# Altium PCB PCB5.PcbDoc (part 1 of 16)
Units mil, origin at the board's own origin, x right, y up, seen from the top; angles counter-clockwise.
Board outline 9210.27 x 4350.4 mil, 4 copper layers (Top Layer, Layer 1, Layer 2, Bottom Layer), stack 23.756 mil thick; 1550 components, 1731 nets, 5196 pads, 1890 vias.
Unrouted connection lines stored in the file: 2462.
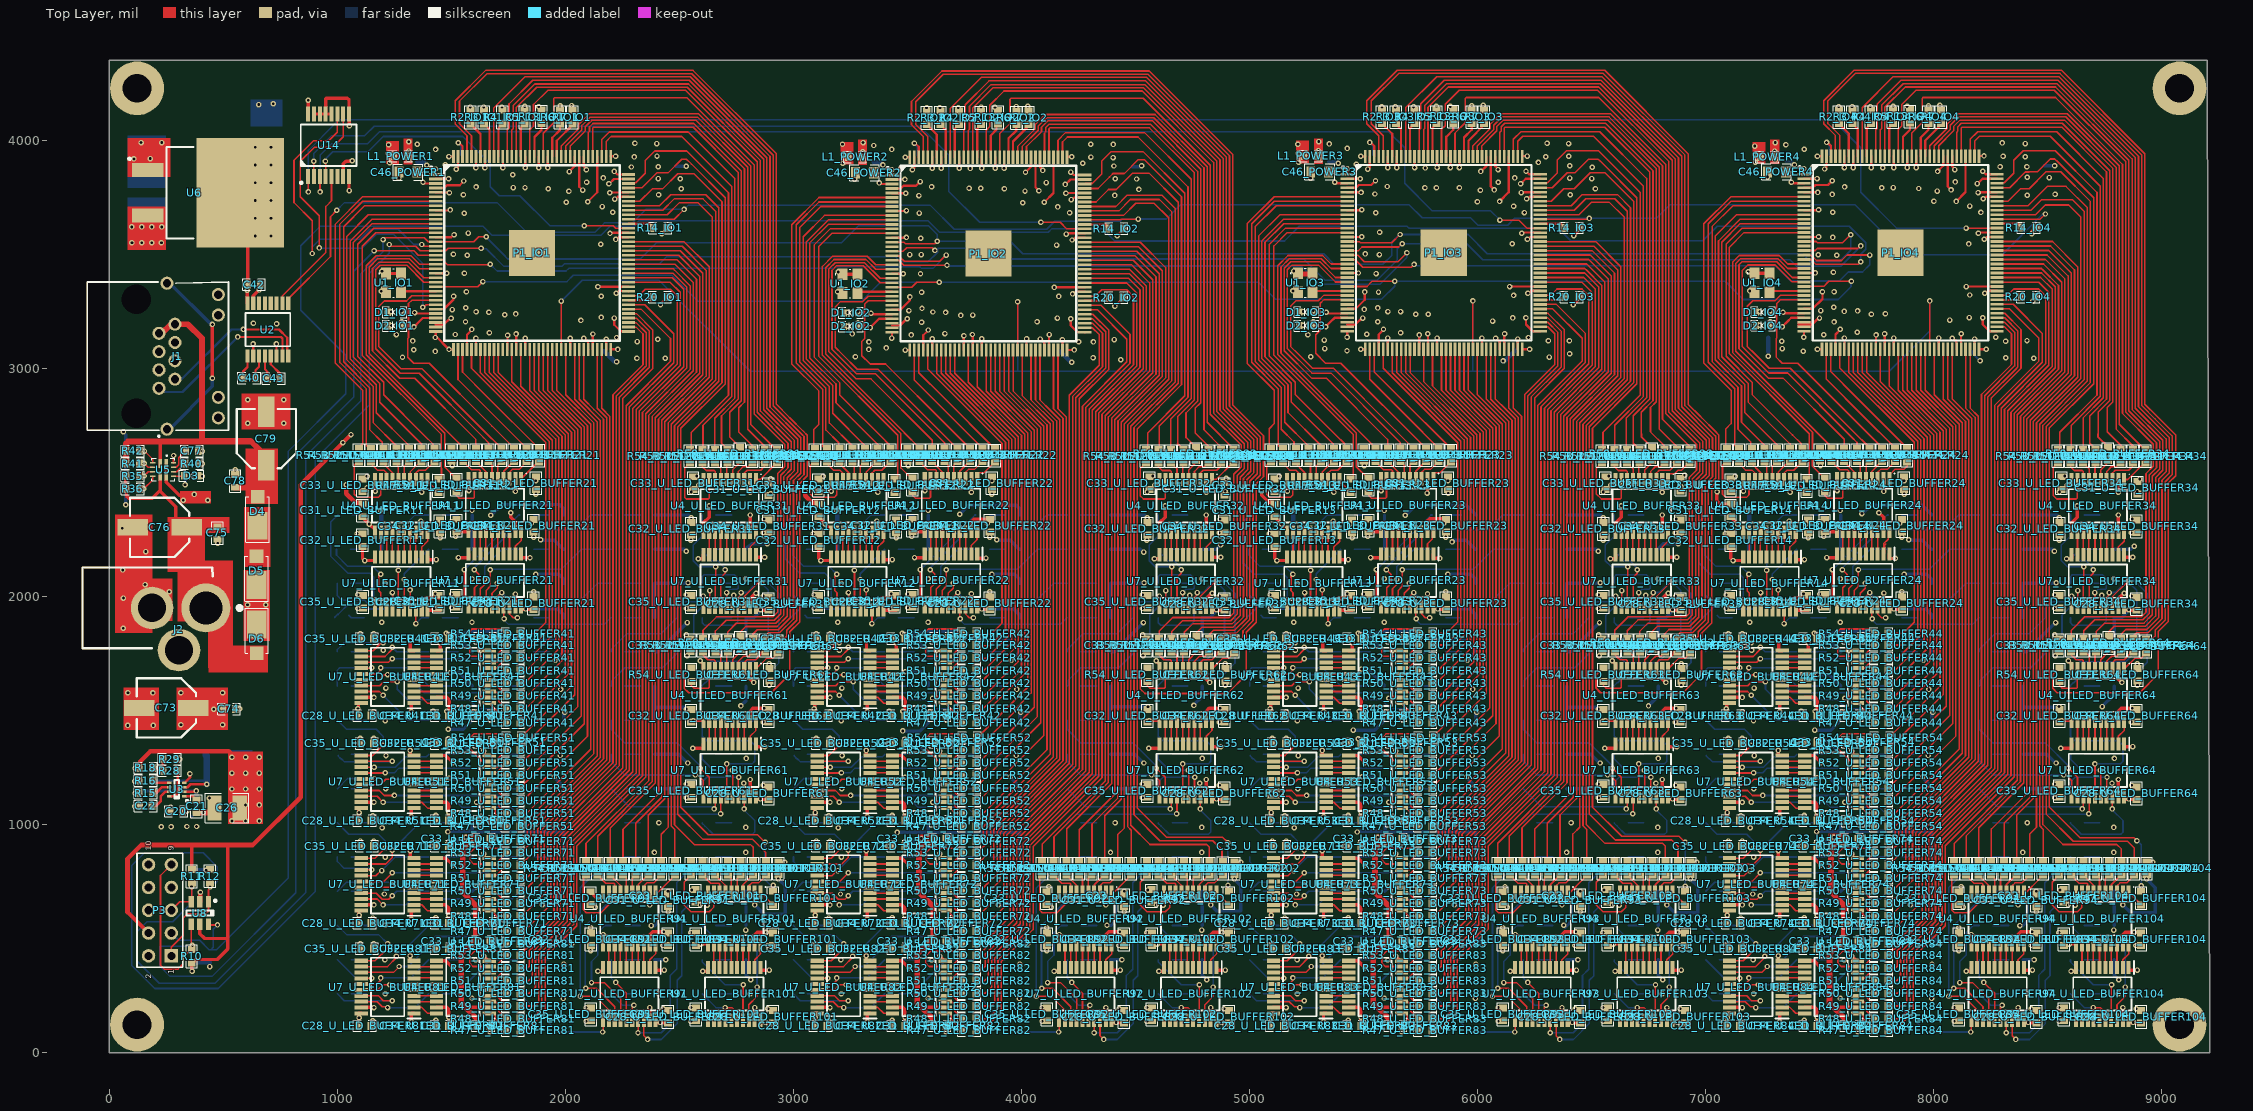
[diagram p0: Top Layer view]
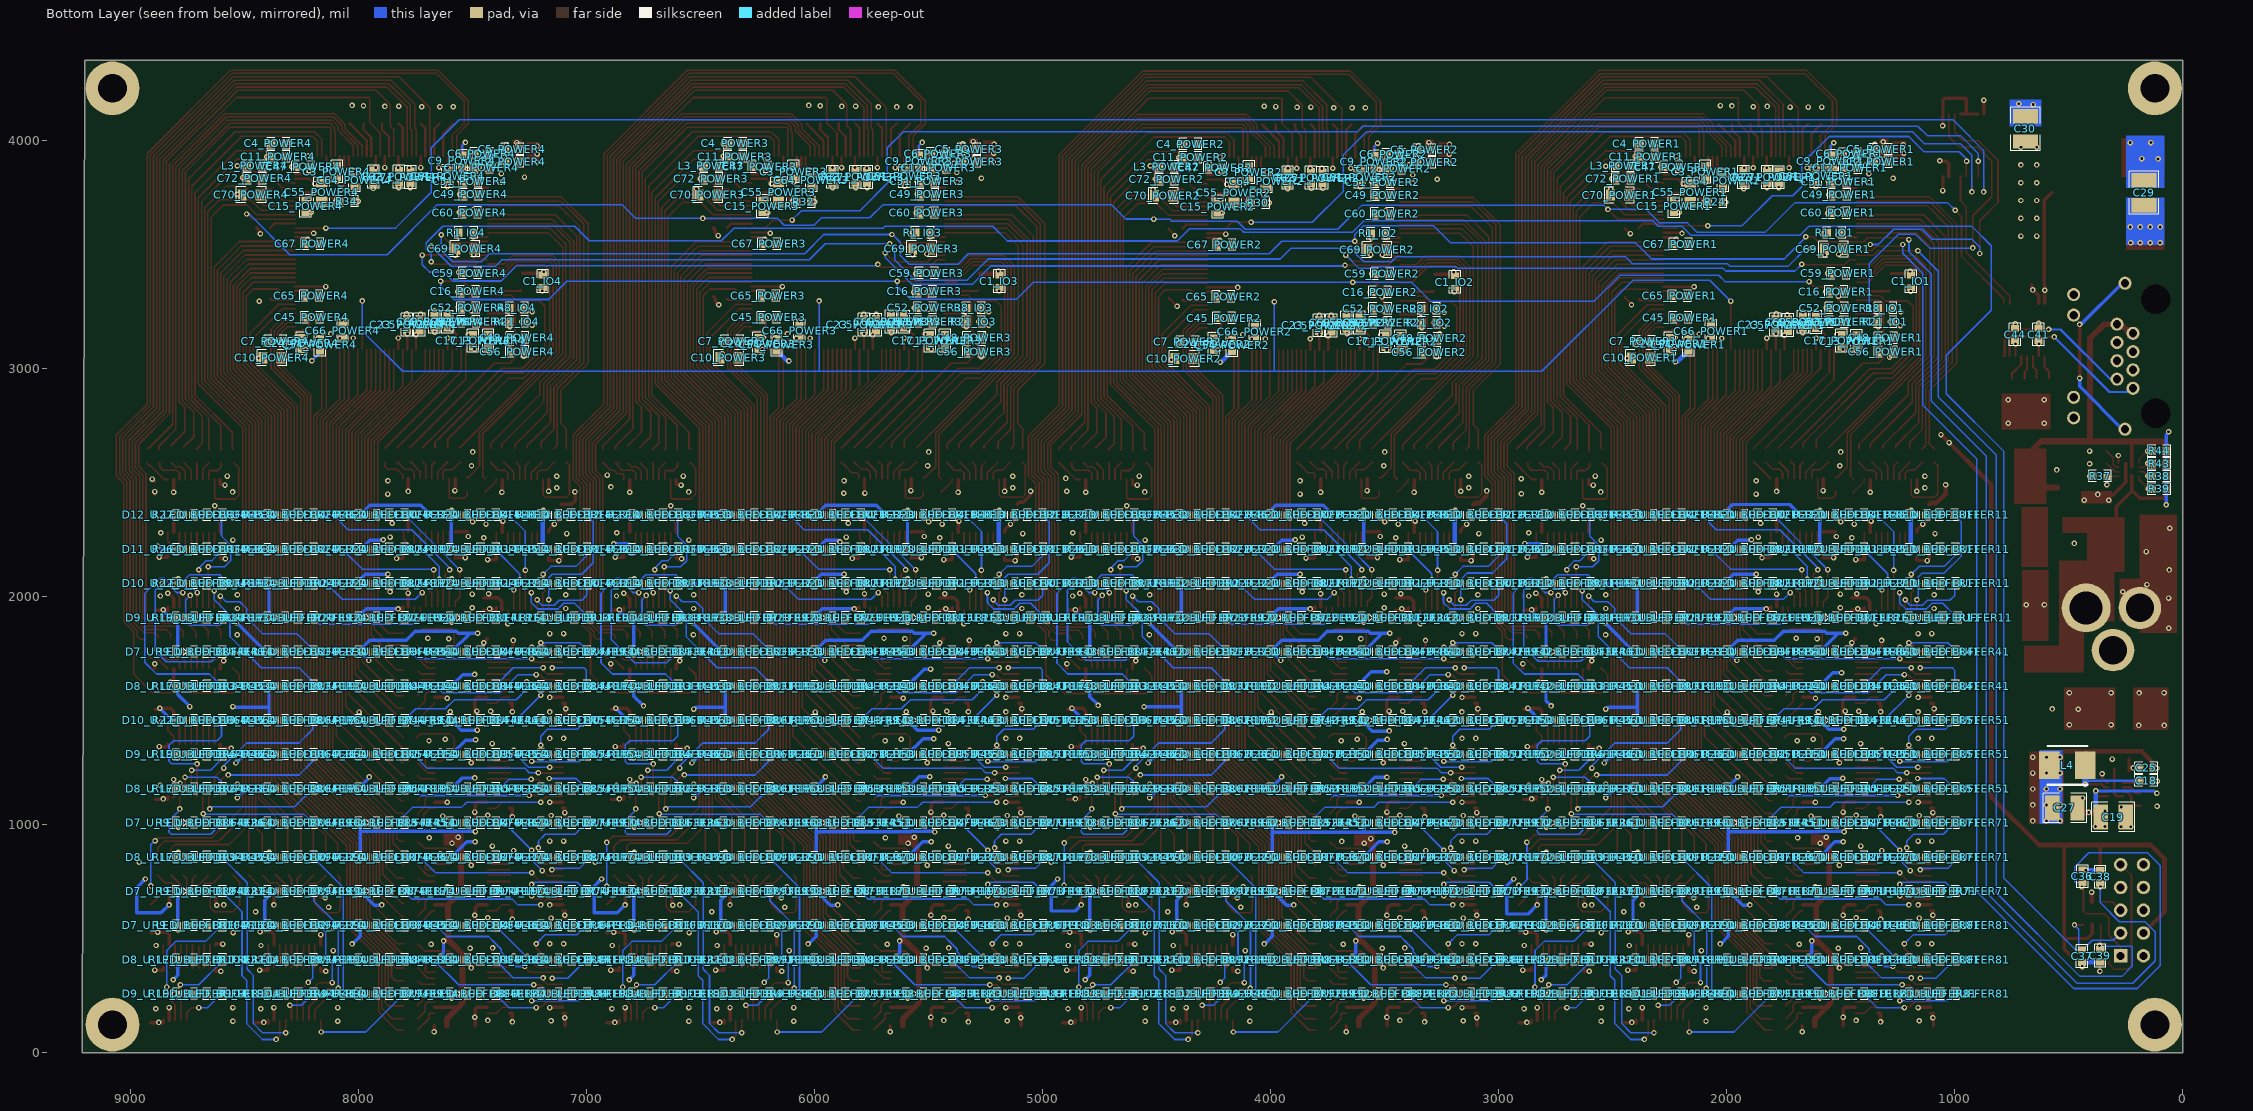
[diagram p1: Bottom Layer view, seen from below]
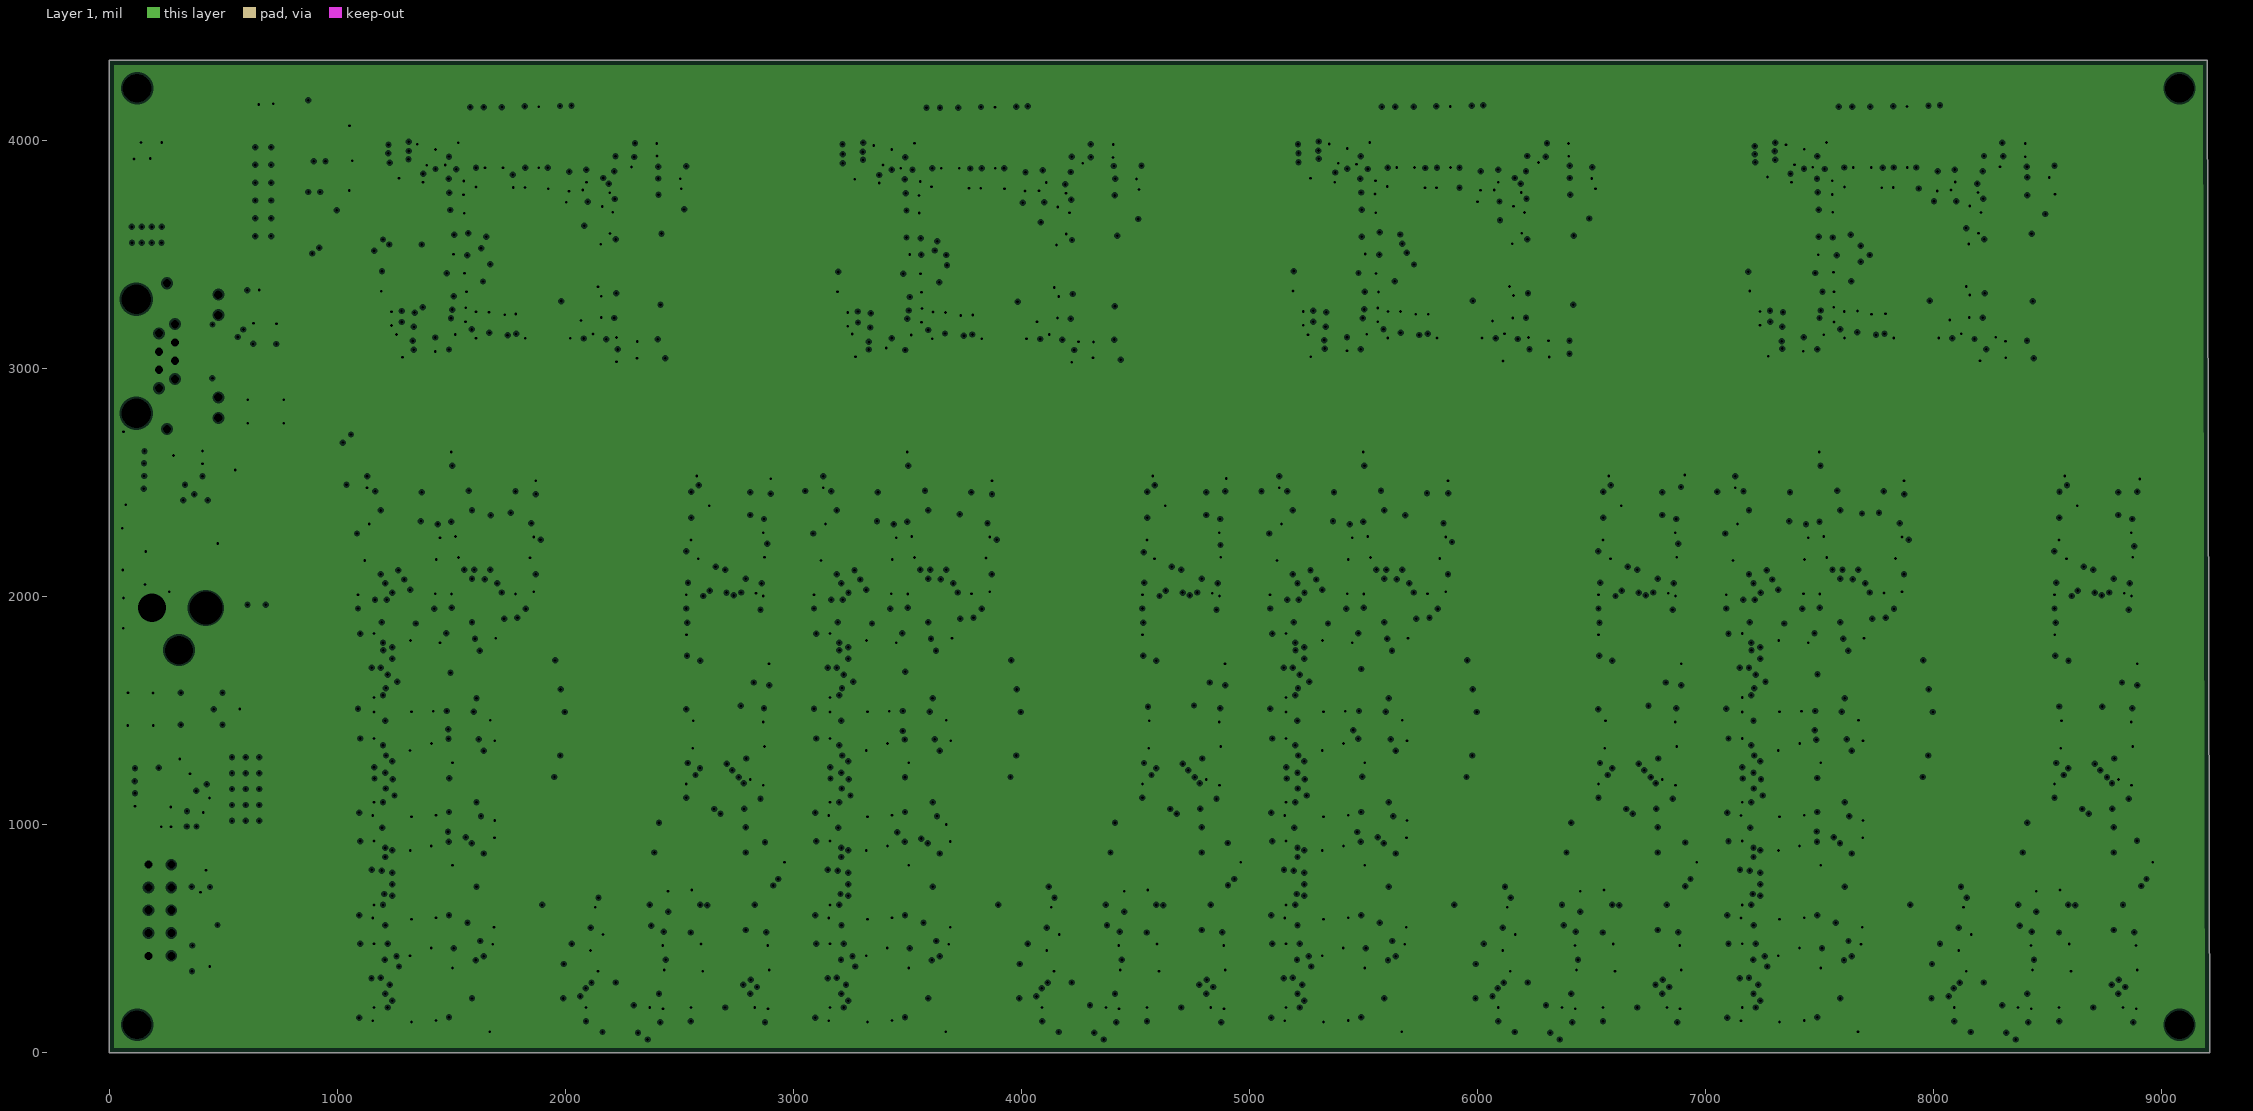
[diagram p2: Layer 1, clearances drawn from the general rule]
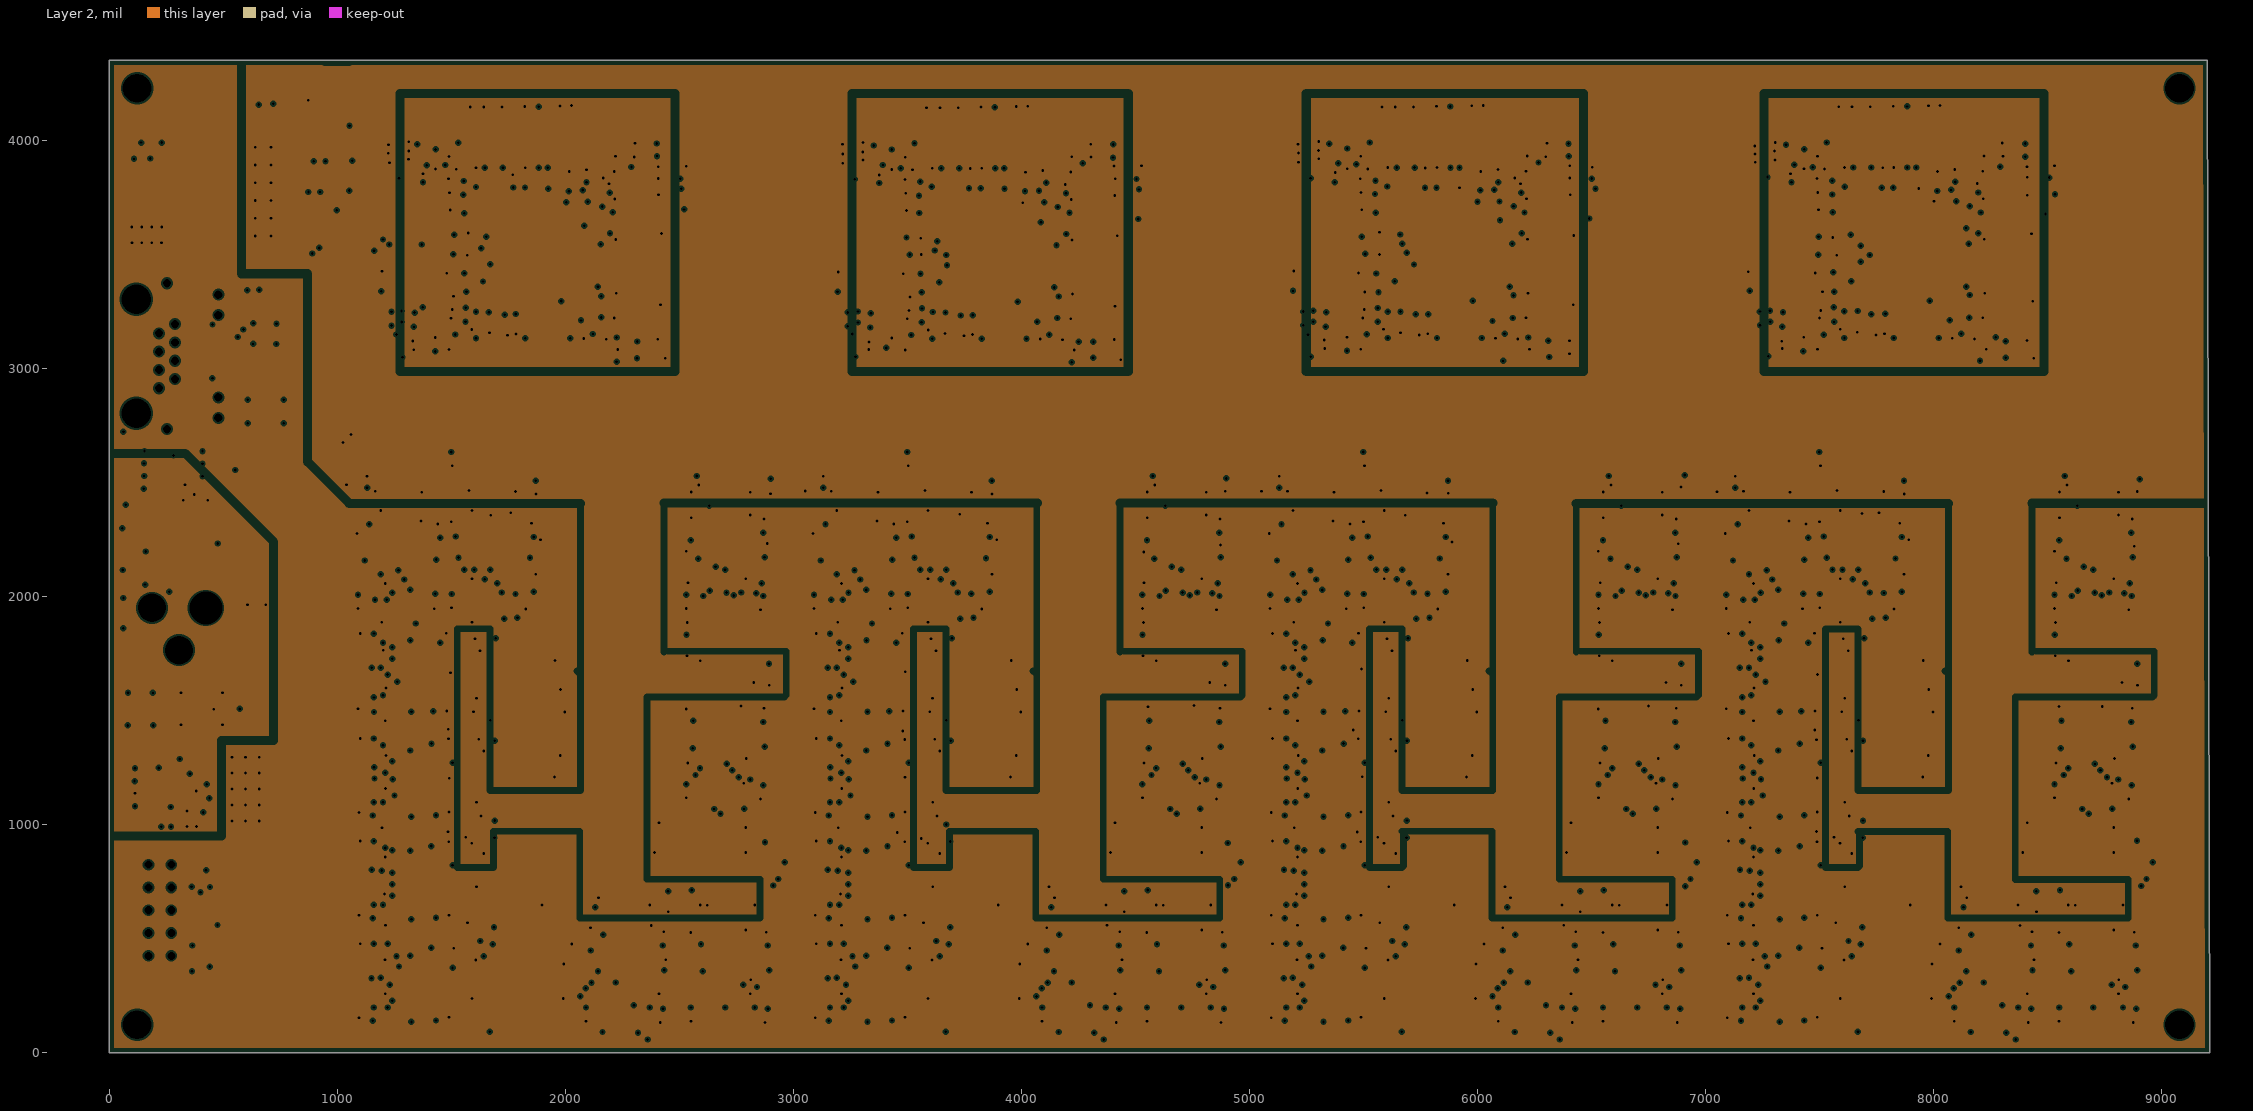
[diagram p3: Layer 2, clearances drawn from the general rule]

## Layer stack, top to bottom
Top Solder: solder mask 0.4, Solder Resist, Dk 3.5
Top Layer: signal copper 1.4
Dielectric 2: prepreg 2.8, PP-006, Dk 4.1
Layer 1: plane copper 1.378, net GND
Dielectric 1: dielectric 12.6, FR-4, Dk 4.8
Layer 2: plane copper 1.378, net (Multiple Nets)
Dielectric 3: prepreg 2.8, PP-006, Dk 4.1
Bottom Layer: signal copper 1.4
Bottom Solder: solder mask 0.4, Solder Resist, Dk 3.5

## Board outline
0,0 9210.27,0 9200.75,4350.39 0,4350.39

## Design rules (kind name [scope] priority, off if disabled: settings)
Clearance [All] p1: gap=7 ignorepadtopadclearanceinfootprint=TRUE
ComponentClearance [All] p1: gap=0 collisioncheckmode=3 verticalgap=0 showdistances=FALSE
HoleSize [All] p1: absolutevalues=TRUE maxlimit=200 minlimit=1 maxpercent=80.000 minpercent=20.000
MinimumSolderMaskSliver [All] p1: minsoldermaskwidth=0
PlaneClearance [All] p1: clearance=8
PlaneConnect [All] p1: planeconnectstyle=Relief reliefexpansion=10 reliefentries=4 reliefconductorwidth=10 reliefairgap=10
PolygonConnect [All] p1: connectstyle=Relief reliefconductorwidth=10 reliefentries=4 polygonreliefangle="90 Angle" airgapwidth=10
RoomDefinition U_LED_BUFFER102 [InComponentClass('U_LED_BUFFER102')] p1: confinementstyle=ConfineIn formatcopy=FALSE lockcomponents=FALSE outline 4520.63,97.17 4970.63,97.17 4970.63,867.17 4520.63,867.17
RoomDefinition U_LED_BUFFER24 [InComponentClass('U_LED_BUFFER24')] p2: confinementstyle=ConfineIn formatcopy=FALSE lockcomponents=FALSE outline 7470.63,1877.17 8420.63,1877.17 8420.63,2677.17 7470.63,2677.17
RoomDefinition U_LED_BUFFER23 [InComponentClass('U_LED_BUFFER23')] p3: confinementstyle=ConfineIn formatcopy=FALSE lockcomponents=FALSE outline 5470.63,1877.17 6420.63,1877.17 6420.63,2677.17 5470.63,2677.17
RoomDefinition U_LED_BUFFER13 [InComponentClass('U_LED_BUFFER13')] p4: confinementstyle=ConfineIn formatcopy=FALSE lockcomponents=FALSE outline 4960.63,1877.17 5620.63,1877.17 5620.63,2677.17 4960.63,2677.17
RoomDefinition U_LED_BUFFER12 [InComponentClass('U_LED_BUFFER12')] p5: confinementstyle=ConfineIn formatcopy=FALSE lockcomponents=FALSE outline 2960.63,1877.17 3620.63,1877.17 3620.63,2677.17 2960.63,2677.17
RoomDefinition U_LED_BUFFER14 [InComponentClass('U_LED_BUFFER14')] p6: confinementstyle=ConfineIn formatcopy=FALSE lockcomponents=FALSE outline 6960.63,1877.17 7620.63,1877.17 7620.63,2677.17 6960.63,2677.17
RoomDefinition U_LED_BUFFER104 [InComponentClass('U_LED_BUFFER104')] p7: confinementstyle=ConfineIn formatcopy=FALSE lockcomponents=FALSE outline 8520.63,97.17 8970.63,97.17 8970.63,867.17 8520.63,867.17
RoomDefinition U_LED_BUFFER103 [InComponentClass('U_LED_BUFFER103')] p8: confinementstyle=ConfineIn formatcopy=FALSE lockcomponents=FALSE outline 6520.63,97.17 6970.63,97.17 6970.63,867.17 6520.63,867.17
RoomDefinition U_LED_BUFFER101 [InComponentClass('U_LED_BUFFER101')] p9: confinementstyle=ConfineIn formatcopy=FALSE lockcomponents=FALSE outline 2520.63,97.17 2970.63,97.17 2970.63,867.17 2520.63,867.17
RoomDefinition U_LED_BUFFER94 [InComponentClass('U_LED_BUFFER94')] p10: confinementstyle=ConfineIn formatcopy=FALSE lockcomponents=FALSE outline 7770.63,97.17 8820.63,97.17 8820.63,887.17 7770.63,887.17
RoomDefinition U_LED_BUFFER93 [InComponentClass('U_LED_BUFFER93')] p11: confinementstyle=ConfineIn formatcopy=FALSE lockcomponents=FALSE outline 5770.63,97.17 6820.63,97.17 6820.63,887.17 5770.63,887.17
RoomDefinition U_LED_BUFFER92 [InComponentClass('U_LED_BUFFER92')] p12: confinementstyle=ConfineIn formatcopy=FALSE lockcomponents=FALSE outline 3770.63,97.17 4820.63,97.17 4820.63,887.17 3770.63,887.17
RoomDefinition U_LED_BUFFER91 [InComponentClass('U_LED_BUFFER91')] p13: confinementstyle=ConfineIn formatcopy=FALSE lockcomponents=FALSE outline 1770.63,97.17 2820.63,97.17 2820.63,887.17 1770.63,887.17
RoomDefinition U_LED_BUFFER84 [InComponentClass('U_LED_BUFFER84')] p14: confinementstyle=ConfineIn formatcopy=FALSE lockcomponents=FALSE outline 6970.63,67.17 8020.63,67.17 8020.63,587.17 6970.63,587.17
RoomDefinition U_LED_BUFFER83 [InComponentClass('U_LED_BUFFER83')] p15: confinementstyle=ConfineIn formatcopy=FALSE lockcomponents=FALSE outline 4970.63,67.17 6020.63,67.17 6020.63,587.17 4970.63,587.17
RoomDefinition U_LED_BUFFER82 [InComponentClass('U_LED_BUFFER82')] p16: confinementstyle=ConfineIn formatcopy=FALSE lockcomponents=FALSE outline 2970.63,67.17 4020.63,67.17 4020.63,587.17 2970.63,587.17
RoomDefinition U_LED_BUFFER81 [InComponentClass('U_LED_BUFFER81')] p17: confinementstyle=ConfineIn formatcopy=FALSE lockcomponents=FALSE outline 970.63,67.17 2020.63,67.17 2020.63,587.17 970.63,587.17
RoomDefinition U_LED_BUFFER74 [InComponentClass('U_LED_BUFFER74')] p18: confinementstyle=ConfineIn formatcopy=TRUE lockcomponents=FALSE outline 6970.63,497.17 8020.63,497.17 8020.63,1037.17 6970.63,1037.17
RoomDefinition U_LED_BUFFER73 [InComponentClass('U_LED_BUFFER73')] p19: confinementstyle=ConfineIn formatcopy=TRUE lockcomponents=FALSE outline 4970.63,497.17 6020.63,497.17 6020.63,1037.17 4970.63,1037.17
RoomDefinition U_LED_BUFFER72 [InComponentClass('U_LED_BUFFER72')] p20: confinementstyle=ConfineIn formatcopy=TRUE lockcomponents=FALSE outline 2970.63,497.17 4020.63,497.17 4020.63,1037.17 2970.63,1037.17
RoomDefinition U_LED_BUFFER71 [InComponentClass('U_LED_BUFFER71')] p21: confinementstyle=ConfineIn formatcopy=FALSE lockcomponents=FALSE outline 970.63,497.17 2020.63,497.17 2020.63,1037.17 970.63,1037.17
RoomDefinition U_LED_BUFFER64 [InComponentClass('U_LED_BUFFER64')] p22: confinementstyle=ConfineIn formatcopy=FALSE lockcomponents=FALSE outline 8170.63,977.17 8960.63,977.17 8960.63,1857.17 8170.63,1857.17
RoomDefinition U_LED_BUFFER63 [InComponentClass('U_LED_BUFFER63')] p23: confinementstyle=ConfineIn formatcopy=FALSE lockcomponents=FALSE outline 6170.63,977.17 6960.63,977.17 6960.63,1857.17 6170.63,1857.17
RoomDefinition U_LED_BUFFER62 [InComponentClass('U_LED_BUFFER62')] p24: confinementstyle=ConfineIn formatcopy=FALSE lockcomponents=FALSE outline 4170.63,977.17 4960.63,977.17 4960.63,1857.17 4170.63,1857.17
RoomDefinition U_LED_BUFFER61 [InComponentClass('U_LED_BUFFER61')] p25: confinementstyle=ConfineIn formatcopy=FALSE lockcomponents=FALSE outline 2170.63,977.17 2960.63,977.17 2960.63,1857.17 2170.63,1857.17
RoomDefinition U_LED_BUFFER54 [InComponentClass('U_LED_BUFFER54')] p26: confinementstyle=ConfineIn formatcopy=FALSE lockcomponents=FALSE outline 6970.63,957.17 8020.63,957.17 8020.63,1487.17 6970.63,1487.17
RoomDefinition U_LED_BUFFER53 [InComponentClass('U_LED_BUFFER53')] p27: confinementstyle=ConfineIn formatcopy=FALSE lockcomponents=FALSE outline 4970.63,957.17 6020.63,957.17 6020.63,1487.17 4970.63,1487.17
RoomDefinition U_LED_BUFFER52 [InComponentClass('U_LED_BUFFER52')] p28: confinementstyle=ConfineIn formatcopy=FALSE lockcomponents=FALSE outline 2970.63,957.17 4020.63,957.17 4020.63,1487.17 2970.63,1487.17
RoomDefinition U_LED_BUFFER51 [InComponentClass('U_LED_BUFFER51')] p29: confinementstyle=ConfineIn formatcopy=FALSE lockcomponents=FALSE outline 970.63,957.17 2020.63,957.17 2020.63,1487.17 970.63,1487.17
RoomDefinition U_LED_BUFFER44 [InComponentClass('U_LED_BUFFER44')] p30: confinementstyle=ConfineIn formatcopy=FALSE lockcomponents=FALSE outline 6970.63,1417.17 8020.63,1417.17 8020.63,1867.17 6970.63,1867.17
RoomDefinition U_LED_BUFFER43 [InComponentClass('U_LED_BUFFER43')] p31: confinementstyle=ConfineIn formatcopy=FALSE lockcomponents=FALSE outline 4970.63,1417.17 6020.63,1417.17 6020.63,1867.17 4970.63,1867.17
RoomDefinition U_LED_BUFFER42 [InComponentClass('U_LED_BUFFER42')] p32: confinementstyle=ConfineIn formatcopy=FALSE lockcomponents=FALSE outline 2970.63,1417.17 4020.63,1417.17 4020.63,1867.17 2970.63,1867.17
RoomDefinition U_LED_BUFFER41 [InComponentClass('U_LED_BUFFER41')] p33: confinementstyle=ConfineIn formatcopy=FALSE lockcomponents=FALSE outline 970.63,1417.17 2020.63,1417.17 2020.63,1867.17 970.63,1867.17
RoomDefinition U_LED_BUFFER34 [InComponentClass('U_LED_BUFFER34')] p34: confinementstyle=ConfineIn formatcopy=FALSE lockcomponents=FALSE outline 8170.63,1577.17 8960.63,1577.17 8960.63,2687.17 8170.63,2687.17
RoomDefinition U_LED_BUFFER33 [InComponentClass('U_LED_BUFFER33')] p35: confinementstyle=ConfineIn formatcopy=FALSE lockcomponents=FALSE outline 6170.63,1577.17 6960.63,1577.17 6960.63,2687.17 6170.63,2687.17
RoomDefinition U_LED_BUFFER32 [InComponentClass('U_LED_BUFFER32')] p36: confinementstyle=ConfineIn formatcopy=FALSE lockcomponents=FALSE outline 4170.63,1577.17 4960.63,1577.17 4960.63,2687.17 4170.63,2687.17
RoomDefinition U_LED_BUFFER31 [InComponentClass('U_LED_BUFFER31')] p37: confinementstyle=ConfineIn formatcopy=FALSE lockcomponents=FALSE outline 2170.63,1577.17 2960.63,1577.17 2960.63,2687.17 2170.63,2687.17
RoomDefinition U_LED_BUFFER22 [InComponentClass('U_LED_BUFFER22')] p38: confinementstyle=ConfineIn formatcopy=FALSE lockcomponents=FALSE outline 3470.63,1877.17 4420.63,1877.17 4420.63,2677.17 3470.63,2677.17
RoomDefinition U_LED_BUFFER21 [InComponentClass('U_LED_BUFFER21')] p39: confinementstyle=ConfineIn formatcopy=FALSE lockcomponents=FALSE outline 1470.63,1877.17 2420.63,1877.17 2420.63,2677.17 1470.63,2677.17
RoomDefinition U_LED_BUFFER11 [InComponentClass('U_LED_BUFFER11')] p40: confinementstyle=ConfineIn formatcopy=FALSE lockcomponents=FALSE outline 960.63,1877.17 1620.63,1877.17 1620.63,2677.17 960.63,2677.17
RoomDefinition POWER1 [InComponentClass('POWER1')] p41: confinementstyle=ConfineIn formatcopy=TRUE lockcomponents=FALSE outline 1240.63,3007.17 2540.63,3007.17 2540.63,4017.17 1240.63,4017.17
RoomDefinition POWER2 [InComponentClass('POWER2')] p42: confinementstyle=ConfineIn formatcopy=TRUE lockcomponents=FALSE outline 3240.63,2997.17 4540.63,2997.17 4540.63,4017.17 3240.63,4017.17
RoomDefinition POWER3 [InComponentClass('POWER3')] p43: confinementstyle=ConfineIn formatcopy=TRUE lockcomponents=FALSE outline 5240.63,3007.17 6540.63,3007.17 6540.63,4017.17 5240.63,4017.17
RoomDefinition POWER4 [InComponentClass('POWER4')] p44: confinementstyle=ConfineIn formatcopy=TRUE lockcomponents=FALSE outline 7240.63,3007.17 8540.63,3007.17 8540.63,4017.17 7240.63,4017.17
RoomDefinition IO2 [InComponentClass('IO2')] p45: confinementstyle=ConfineIn formatcopy=TRUE lockcomponents=FALSE outline 3160.63,3047.17 4470.63,3047.17 4470.63,4157.17 3160.63,4157.17
RoomDefinition IO4 [InComponentClass('IO4')] p46: confinementstyle=ConfineIn formatcopy=TRUE lockcomponents=FALSE outline 7160.63,3047.17 8470.63,3047.17 8470.63,4167.17 7160.63,4167.17
RoomDefinition IO3 [InComponentClass('IO3')] p47: confinementstyle=ConfineIn formatcopy=TRUE lockcomponents=FALSE outline 5160.63,3047.17 6470.63,3047.17 6470.63,4167.17 5160.63,4167.17
RoomDefinition IO1 [InComponentClass('IO1')] p48: confinementstyle=ConfineIn formatcopy=TRUE lockcomponents=FALSE outline 1160.63,3047.17 2470.63,3047.17 2470.63,4157.17 1160.63,4157.17
RoutingVias [All] p1: holewidth=12 width=24 viastyle="Through Hole" minholewidth=12 minwidth=24 maxholewidth=28 maxwidth=50
SilkToSilkClearance [All] p1: silktosilkclearance=0
SilkToSolderMaskClearance [IsPad] p1: minsilkscreentomaskgap=0 clearancetoexposedcopper=TRUE
SolderMaskExpansion [All] p1: expansion=4
Width [All] p1: maxlimit=50 minlimit=7 preferedwidth=7 minimp=50.000000 maximp=50.000000 favimp=50.000000
23 further rules are at their usual default settings.

## Classes and differential pairs
channel class FPGA_POWER: POWER1 POWER2 POWER3 POWER4
component class POWER4: C2_POWER4 C3_POWER4 C4_POWER4 C5_POWER4 C6_POWER4 C7_POWER4 C9_POWER4 C10_POWER4 C11_POWER4 C12_POWER4 C13_POWER4 C15_POWER4 C16_POWER4 C17_POWER4 C23_POWER4 C24_POWER4 C45_POWER4 C46_POWER4 C47_POWER4 C48_POWER4 C49_POWER4 C51_POWER4 C52_POWER4 C53_POWER4 C54_POWER4 C55_POWER4 C56_POWER4 C57_POWER4 C58_POWER4 C59_POWER4 C60_POWER4 C61_POWER4 C62_POWER4 C64_POWER4 C65_POWER4 C66_POWER4 C67_POWER4 C68_POWER4 C69_POWER4 C70_POWER4 C71_POWER4 C72_POWER4 L1_POWER4 L3_POWER4
component class POWER3: C2_POWER3 C3_POWER3 C4_POWER3 C5_POWER3 C6_POWER3 C7_POWER3 C9_POWER3 C10_POWER3 C11_POWER3 C12_POWER3 C13_POWER3 C15_POWER3 C16_POWER3 C17_POWER3 C23_POWER3 C24_POWER3 C45_POWER3 C46_POWER3 C47_POWER3 C48_POWER3 C49_POWER3 C51_POWER3 C52_POWER3 C53_POWER3 C54_POWER3 C55_POWER3 C56_POWER3 C57_POWER3 C58_POWER3 C59_POWER3 C60_POWER3 C61_POWER3 C62_POWER3 C64_POWER3 C65_POWER3 C66_POWER3 C67_POWER3 C68_POWER3 C69_POWER3 C70_POWER3 C71_POWER3 C72_POWER3 L1_POWER3 L3_POWER3
component class POWER2: C2_POWER2 C3_POWER2 C4_POWER2 C5_POWER2 C6_POWER2 C7_POWER2 C9_POWER2 C10_POWER2 C11_POWER2 C12_POWER2 C13_POWER2 C15_POWER2 C16_POWER2 C17_POWER2 C23_POWER2 C24_POWER2 C45_POWER2 C46_POWER2 C47_POWER2 C48_POWER2 C49_POWER2 C51_POWER2 C52_POWER2 C53_POWER2 C54_POWER2 C55_POWER2 C56_POWER2 C57_POWER2 C58_POWER2 C59_POWER2 C60_POWER2 C61_POWER2 C62_POWER2 C64_POWER2 C65_POWER2 C66_POWER2 C67_POWER2 C68_POWER2 C69_POWER2 C70_POWER2 C71_POWER2 C72_POWER2 L1_POWER2 L3_POWER2
component class POWER1: C2_POWER1 C3_POWER1 C4_POWER1 C5_POWER1 C6_POWER1 C7_POWER1 C9_POWER1 C10_POWER1 C11_POWER1 C12_POWER1 C13_POWER1 C15_POWER1 C16_POWER1 C17_POWER1 C23_POWER1 C24_POWER1 C45_POWER1 C46_POWER1 C47_POWER1 C48_POWER1 C49_POWER1 C51_POWER1 C52_POWER1 C53_POWER1 C54_POWER1 C55_POWER1 C56_POWER1 C57_POWER1 C58_POWER1 C59_POWER1 C60_POWER1 C61_POWER1 C62_POWER1 C64_POWER1 C65_POWER1 C66_POWER1 C67_POWER1 C68_POWER1 C69_POWER1 C70_POWER1 C71_POWER1 C72_POWER1 L1_POWER1 L3_POWER1
channel class LED_BUFFER_1xFPGA: U_LED_BUFFER_1xFPGA1 U_LED_BUFFER_1xFPGA2 U_LED_BUFFER_1xFPGA3 U_LED_BUFFER_1xFPGA4
channel class LED_BUFFER: U_LED_BUFFER11 U_LED_BUFFER12 U_LED_BUFFER13 U_LED_BUFFER14 U_LED_BUFFER21 U_LED_BUFFER22 U_LED_BUFFER23 U_LED_BUFFER24 U_LED_BUFFER31 U_LED_BUFFER32 U_LED_BUFFER33 U_LED_BUFFER34 U_LED_BUFFER41 U_LED_BUFFER42 U_LED_BUFFER43 U_LED_BUFFER44 U_LED_BUFFER51 U_LED_BUFFER52 U_LED_BUFFER53 U_LED_BUFFER54 U_LED_BUFFER61 U_LED_BUFFER62 U_LED_BUFFER63 U_LED_BUFFER64 U_LED_BUFFER71 U_LED_BUFFER72 U_LED_BUFFER73 U_LED_BUFFER74 U_LED_BUFFER81 U_LED_BUFFER82 U_LED_BUFFER83 U_LED_BUFFER84 U_LED_BUFFER91 U_LED_BUFFER92 U_LED_BUFFER93 U_LED_BUFFER94 U_LED_BUFFER101 U_LED_BUFFER102 U_LED_BUFFER103 U_LED_BUFFER104
component class U_LED_BUFFER104: C28_U_LED_BUFFER104 C31_U_LED_BUFFER104 C32_U_LED_BUFFER104 C33_U_LED_BUFFER104 C34_U_LED_BUFFER104 C35_U_LED_BUFFER104 D7_U_LED_BUFFER104 D8_U_LED_BUFFER104 D9_U_LED_BUFFER104 R9_U_LED_BUFFER104 R17_U_LED_BUFFER104 R19_U_LED_BUFFER104 R47_U_LED_BUFFER104 R48_U_LED_BUFFER104 R49_U_LED_BUFFER104 R50_U_LED_BUFFER104 R51_U_LED_BUFFER104 R52_U_LED_BUFFER104 R53_U_LED_BUFFER104 R54_U_LED_BUFFER104 U4_U_LED_BUFFER104 U7_U_LED_BUFFER104
component class U_LED_BUFFER103: C28_U_LED_BUFFER103 C31_U_LED_BUFFER103 C32_U_LED_BUFFER103 C33_U_LED_BUFFER103 C34_U_LED_BUFFER103 C35_U_LED_BUFFER103 D7_U_LED_BUFFER103 D8_U_LED_BUFFER103 D9_U_LED_BUFFER103 R9_U_LED_BUFFER103 R17_U_LED_BUFFER103 R19_U_LED_BUFFER103 R47_U_LED_BUFFER103 R48_U_LED_BUFFER103 R49_U_LED_BUFFER103 R50_U_LED_BUFFER103 R51_U_LED_BUFFER103 R52_U_LED_BUFFER103 R53_U_LED_BUFFER103 R54_U_LED_BUFFER103 U4_U_LED_BUFFER103 U7_U_LED_BUFFER103